# Altium PCB 3-as-manufactured.PcbDoc (part 11 of 16) (continued)
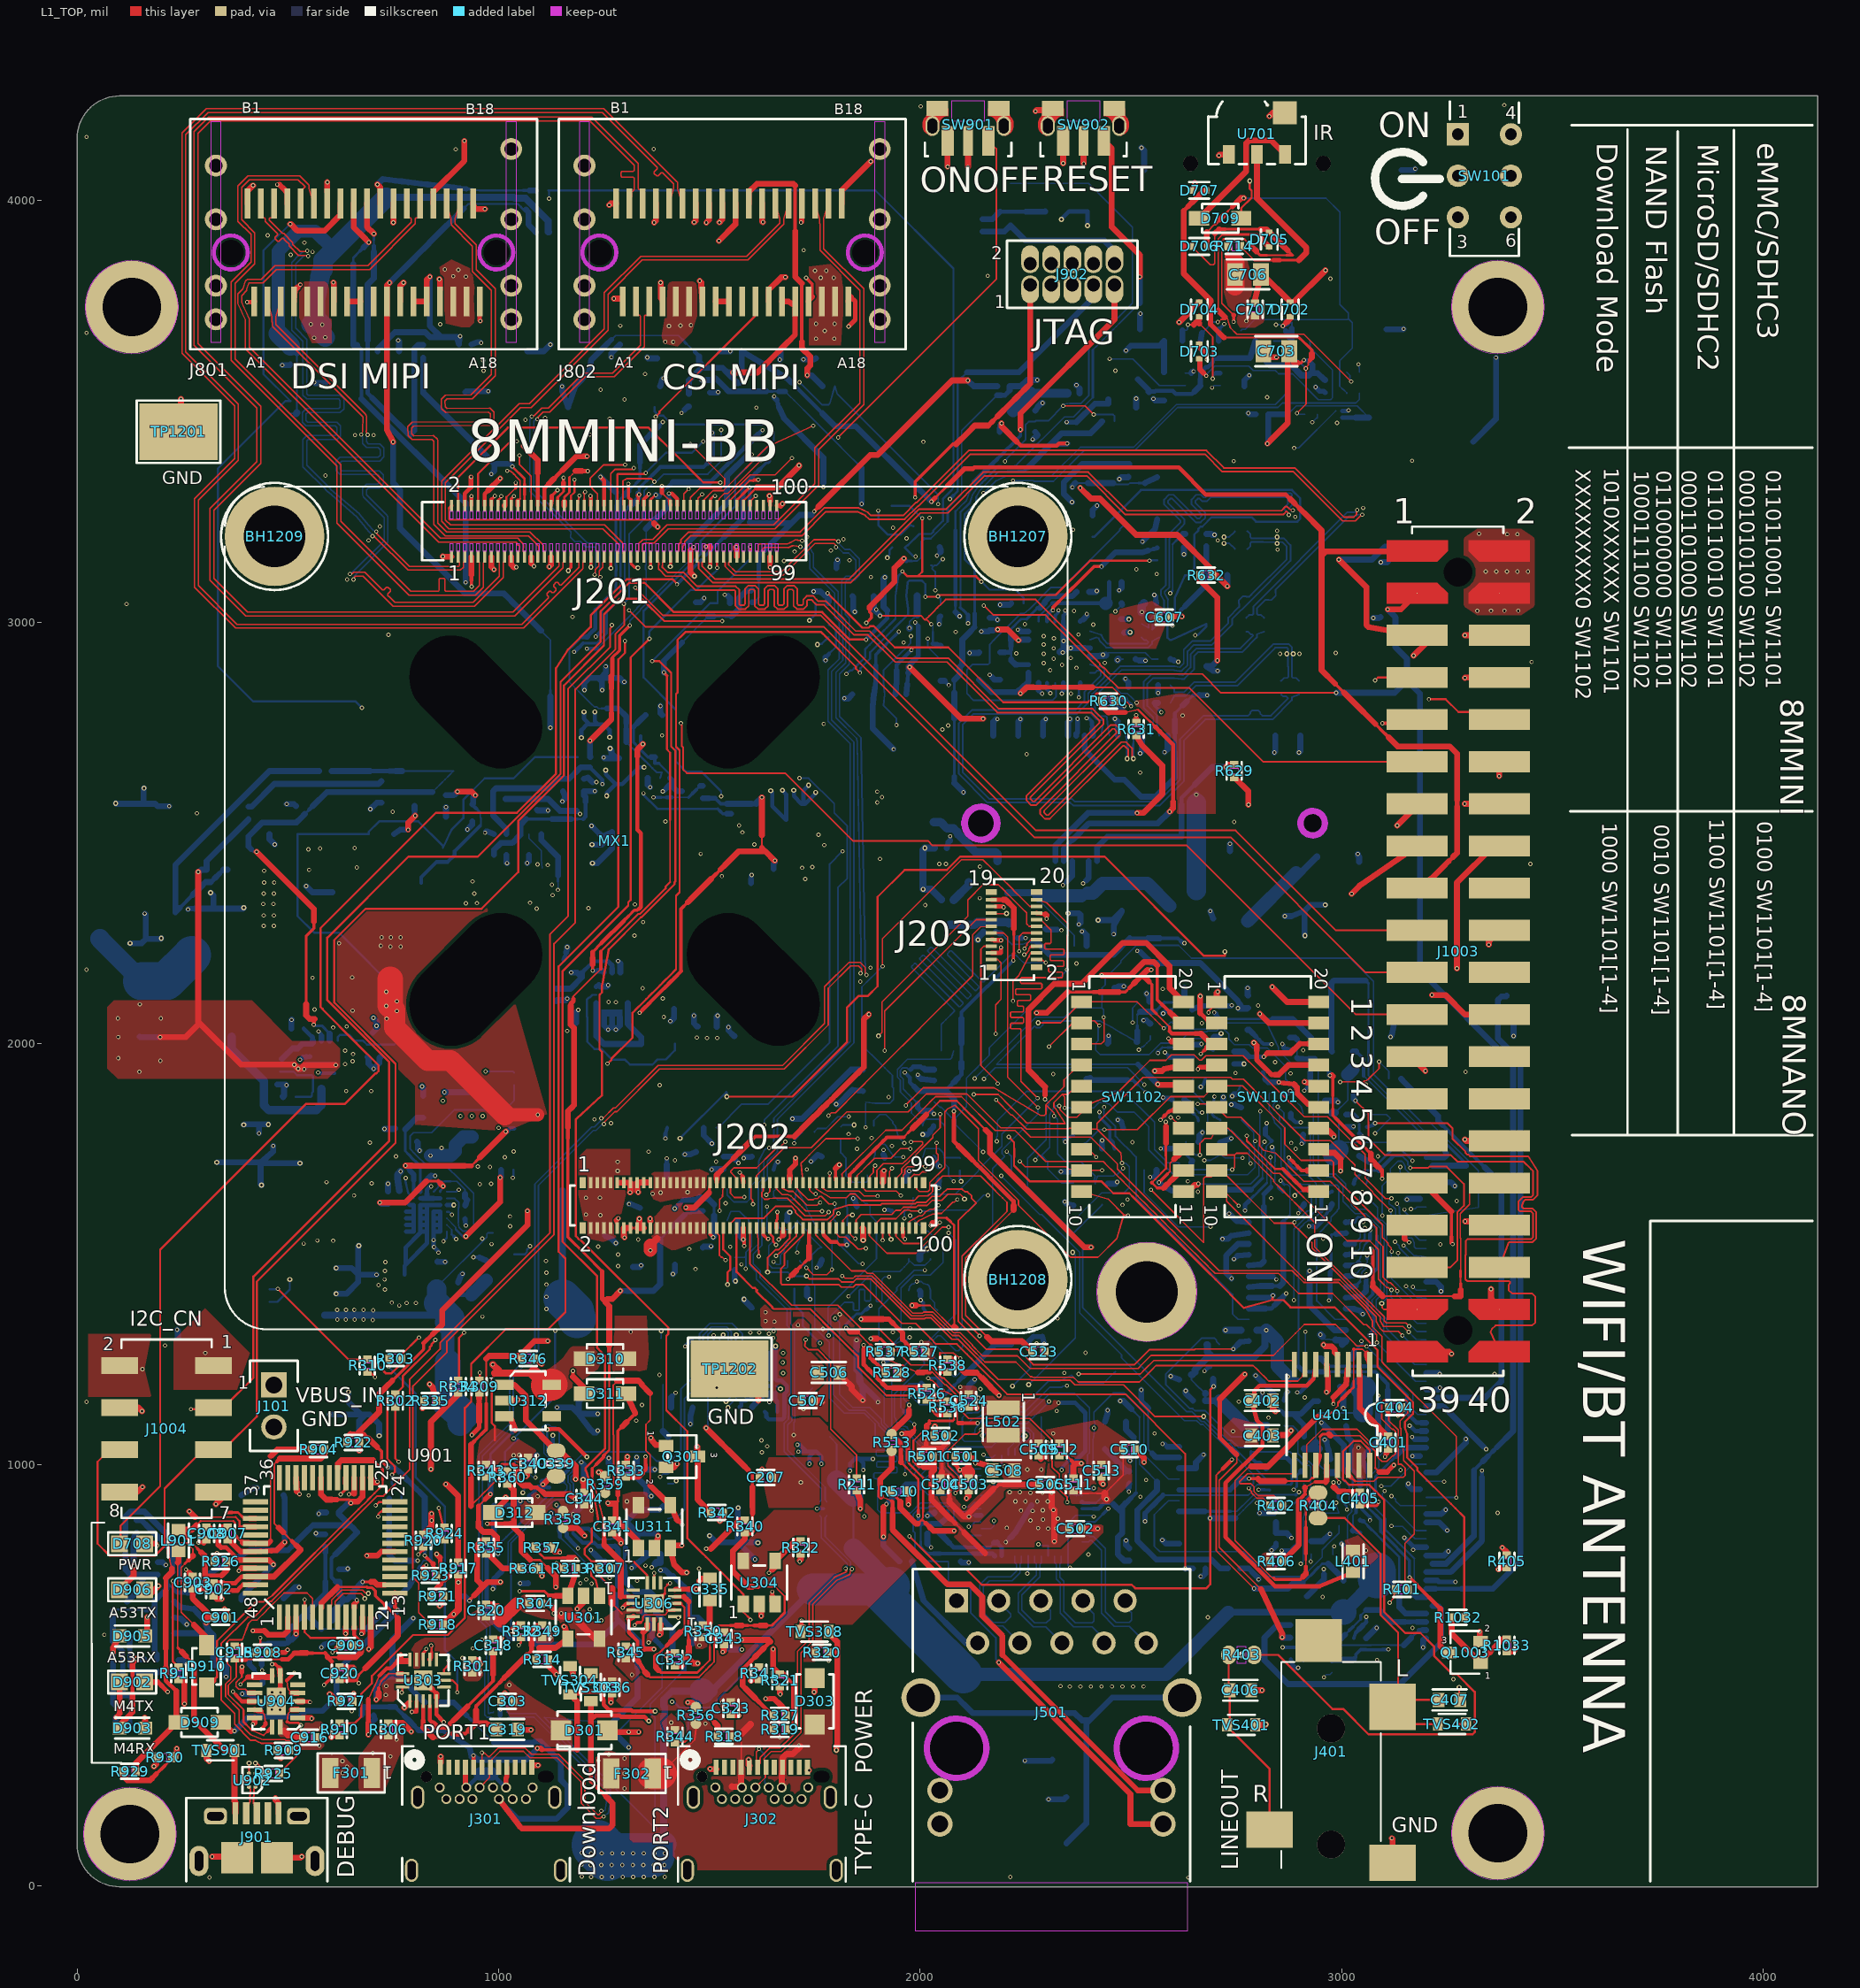
[diagram p0: L1_TOP view]
## Nets (pads, with @x,y where several pads share a name; then routed paths per layer and width w, separated by ;. In a path a pad name is that pad's centre, name@x,y a point inside that pad or via, vN(x,y) a via of type N, cw(c..) or ccw(c..) an arc to the next point about the centre after c; other vN are vias at no path point) (continued)
  L8_BOT w3.5: R1005.1@2942.27,886.97 2944.1,885.14 R1006.1@2993.86,885.13 2988.54,899.49 2987.08,900.95 v1(2987.08,909.99) ; v1(3094.35,949.35) 3116.55,949.35 3168.66,1001.46 J1001.39@3200.73,1001.47
SAI2_MCLK: J202.66 R213.1 | length 1576.7
  L1_TOP w4: J202.66@1721.75,1561.93 1721.75,1544.75 1677.66,1500.66 1677.66,1497.34 1678,1497 1678,1474.24 1669.42,1465.67 1669.42,1430.47 1671.77,1428.13 1710.32,1428.13 1806.44,1428.13 1812.57,1422 1841.37,1422 1847.5,1428.13 1864.48,1428.13 1874.74,1417.87 1926.04,1366.57 1936.29,1356.32 1946.55,1346.06 1956.81,1335.8 1988.63,1335.8 2023.58,1300.85 2037.44,1287 2086.88,1287 2111.15,1262.73 2121.71,1252.17 2132.26,1241.62 2206.16,1167.72 2284.33,1167.72 2425.02,1167.72 2487.54,1167.72 ; 2487.55,1167.71 2628.93,1026.34 v1(2628.94,753.66)
  L8_BOT w14.05: v1(2628.94,753.66) 2629.45,754.17 R213.1@2647.33,754.16
SAI2_MCLK_3V3: R1006.2 U202.17 | length 685.5
  L8_BOT w3.5: U202.17@2614.23,915.19 2589.09,915.18 2577.94,904.03 2555.64,881.72 2555.64,806.99 2568.69,793.94 2643.88,793.94 2767.13,793.94 2826.12,734.96 2907.82,734.96 2954.02,781.16 2954.02,798.65 2974.56,819.19 2984.21,828.84 2993.7,838.33 2993.85,838.49 ; 2993.86,838.5 R1006.2@2993.86,855.61
SAI3_MCLK: J202.41 R401.1 R1005.2 | length 2523.3
  L1_TOP w3.5: v1(1524.12,1603) 1523.86,1603.27 1523.86,1629.63 1530.97,1636.74 1531.57,1647.71 1532.17,1658.68 J202.41@1532.76,1669.64 ; v1(3114,673) 3121.77,682.23 R401.1@3128.4,704.36
  L3_INT w4.2: v1(1524.12,1603) 1523.86,1602.73 1523.86,1481.13 1549.69,1455.3 1569.49,1455.3 1714.97,1309.82 1714.97,1282.03 1952.9,1044.1 1952.9,973.4 2028.1,898.2 2028.1,839.5 2139.6,728 2592.83,728 v1(2682.47,638.36)
  L6_INT w4.2: v1(2682.47,638.36) 2808.89,638.36 2905.06,734.52 ; v1(2903.05,765.44) 2905.06,763.43 2905.06,734.52 ; v1(3114,673) 3114,671.94 3102.21,660.15 3092.45,650.39 3082.69,640.63 3072.93,630.87 3063.17,621.11 3043.65,621.11 2930.24,734.52 2905.06,734.52
  L8_BOT w3.5: v1(2903.05,765.44) 2908.63,771.02 2908.63,800.23 2908.63,873.26 R1005.2@2912.75,886.97
SAI3_RXC: J202.53 J1001.41 | length 2143.8
  L1_TOP w3.5: J202.53@1627.25,1669.64 1627.25,1649.84 1624.25,1646.84 1624.25,1636.55 1630.55,1630.25 1639.45,1630.25 1640.4,1631.2 1641.25,1632.05 1642.44,1632.2 1649.76,1633.13 1684.7,1633.13 1706.36,1611.47 1707.13,1611.47 1711.93,1606.67 1711.93,1605.9 1726.58,1591.25 1774.25,1591.25 v1(1783,1600)
  L3_INT w4.2: v1(1783,1600) 1783,1580.56 1781.18,1578.74 1781.18,1546.47 1840.21,1487.44 1857.59,1487.44 1862.54,1492.39 1884.33,1492.39 1893.21,1483.51 1902.1,1474.62 2017.39,1474.62 2135.25,1356.76 2178.11,1313.9 2437.56,1313.9 2512.64,1238.82 2555.54,1195.92 2566.26,1185.19 2576.99,1174.47 2598.44,1153.02 2611.97,1139.49 2863.41,1196 2911.59,1206.83 3109.6,1206.83 3140.07,1206.83 3150.35,1196.54 3160.63,1186.26 3170.92,1175.98 3201.77,1145.12 3212.05,1134.84 3222.34,1124.56 3242.9,1103.99 v1(3242.95,959.95) v1(3242.95,959.95)
  L8_BOT w3.5: J1001.41@3200.73,962.1 3201.79,961.03 3241.88,961.03 v1(3242.95,959.95)
SAI3_RXD: J202.55 J1001.44 | length 2007.5
  L1_TOP w3.5: v1(1635,1641) 1635.33,1641 1643.01,1648.68 J202.55@1643.01,1669.65
  L3_INT w4.2: v1(1635,1641) 1643.66,1632.34 1677.49,1632.34 1697.21,1612.62 1707.08,1602.75 1736.67,1573.17 1736.67,1553.77 1790.42,1500.02 1801.17,1489.26 1833.43,1457.01 1844.18,1446.26 1930.19,1360.25 2013.67,1360.25 2123.1,1250.81 2177.81,1196.1 2178.9,1195.01 2178.9,1188.99 2185.99,1181.9 2192.01,1181.9 2243.47,1130.44 2265.36,1108.55 2451.83,1108.55 2576.18,984.21 2786.07,984.21 2944.98,825.29 2952.61,825.29 2953.02,824.88 2976.6,824.88 2985.33,833.61 2985.33,835.15 3044.5,894.32 3086.56,894.32 3109.92,917.68 3109.92,921.02 3111.45,921.02 3116.43,926 v1(3118,926)
  L8_BOT w3.5: v1(3118,926) 3119.76,926 3125.56,920.2 3126.24,920.2 3128.29,918.15 3128.29,914.04 3139.3,903.03 J1001.44@3200.73,903.04
SAI3_RXFS: J202.51 J1001.43 | length 2358.6
  L1_TOP w3.5: J202.51@1611.5,1678.22 1611.5,1686.8 1677.28,1752.58 1741.08,1752.58 1825.9,1837.4 1971.4,1837.4 2014.36,1880.36 2110.57,1880.36 2191.06,1799.87 2240.04,1799.87 2261.98,1777.93 2404.45,1777.93 2467.97,1714.41 2467.97,1702.03 2709.14,1460.86 2882.37,1460.86 2910.43,1432.81 2992.89,1432.81 3056.54,1369.16 3062.04,1360.19 3067.55,1351.21 3073.06,1342.24 3073.06,1327.83 3095.91,1304.98 3095.91,1244.2 3099,1241.11 3099,1240.58 3272,1067.58 v1(3272,922)
  L8_BOT w3.5: J1001.43@3200.73,922.73 3271.28,922.72 v1(3272,922)
SAI3_TXC: J202.45 R402.1 | length 1851.3
  L1_TOP w3.5: J202.45@1564.27,1669.65 1563.1,1681.53 1556.57,1688.06 1550.03,1694.6 1550.03,1697.24 1557.54,1704.75 1611.5,1704.75 1652.21,1745.46 1662.5,1755.75 1668.76,1755.75 v1(1680.01,1767) ; v1(2779.77,944.45) 2779.77,942.89 2785.75,936.92 2785.75,933.86 2799.12,920.49 2813.9,920.49 2829.8,904.58 R402.1@2829.81,903.58
  L3_INT w4.2: v1(1680.01,1767) 1680.01,1766.01 1707.22,1738.8 1882.75,1738.8 1898.38,1754.43 1907.37,1763.42 1913.12,1769.17 1938.96,1769.17 1972.34,1735.78 2086.17,1735.78 2097.23,1724.71 2108.3,1713.64 2119.37,1702.58 2134.43,1687.52 2184.9,1687.52 2185.31,1687.11 2190.89,1687.11 v1(2192,1686)
  L8_BOT w3.5: v1(2192,1686) 2192,1685.83 2283.42,1594.41 2288.37,1594.41 2378.55,1504.23 2378.55,1360.57 2477.78,1261.33 2477.78,1254.23 2626.94,1105.07 2655.98,1105.07 2664.97,1096.08 2671.12,1096.08 2730.81,1036.39 2730.91,1036.39 2790.68,976.62 2790.68,954.99 2780.14,944.45 v1(2779.77,944.45)
SAI3_TXD: J202.49 U401.7 | length 1611
  L1_TOP w3.5: J202.49@1595.77,1669.65 1598.59,1663.11 1598.59,1632 1602.04,1628.55 1602.04,1619.96 v1(1603,1619) ; v1(1815,1448) 1816.76,1448 1822.16,1442.6 1840.47,1442.6 1846.14,1448.26 1885.14,1448.26 1979.75,1353.65 2008.1,1353.65 2010.45,1356.01 2027.09,1356.01 2076.09,1307 2091.92,1307 2117.38,1281.53 2117.38,1280.02 2153.37,1244.03 2226.73,1244.03 2261.46,1209.31 2265.32,1209.31 2267.18,1207.45 2344.39,1207.45 2353.77,1207.94 2363.15,1208.43 2373.83,1197.74 2374.84,1196.74 2520.61,1196.74 2539.99,1216.12 2549.68,1225.8 2559.36,1235.49 2790.44,1235.49 2799.42,1226.51 2808.39,1217.53 2817.37,1208.56 2827.22,1198.71 2895.54,1198.71 2907.28,1210.45 U401.7@2913.26,1238.52
  L3_INT w4.2: v1(1603,1619) 1699.09,1522.91 1750.35,1522.91 1761.31,1511.95 1814.81,1458.46 1814.81,1448.19 v1(1815,1448)
SAI3_TXFS: J202.43 U401.8 | length 1602.4
  L1_TOP w3.5: J202.43@1548.52,1669.65 1549.58,1668.46 1549.58,1644.38 1559.25,1634.71 1581.78,1634.71 v1(1582.55,1635.49) ; v1@2375.98,1215.77 2522.42,1215.77 2533.05,1226.4 2554.32,1247.67 2617.11,1247.67 2789.79,1247.67 2883.98,1247.67 U401.8@2887.66,1238.52
  L3_INT w4.2: v1(1582.55,1635.49) 1608.64,1661.58 1674.15,1661.58 1717.42,1618.31 1728.23,1607.5 1739.05,1596.68 1749.87,1585.86 1749.87,1552.74 1760.64,1541.97 1771.41,1531.2 1782.18,1520.43 1792.95,1509.65 1803.72,1498.88 1814.49,1488.11 1825.26,1477.34 1836.03,1466.57 1846.8,1455.8 1857.57,1445.03 1868.34,1434.26 1879.12,1423.49 1889.89,1412.72 1900.17,1402.43 2018.37,1402.43 2039.79,1381.01 2050.26,1370.53 2060.74,1360.06 2071.21,1349.59 2081.68,1339.12 2092.15,1328.65 2149.02,1271.78 2315.7,1271.78 2371.7,1215.77 2373.84,1215.77 v1(2375.98,1215.77)
SAI5_MCLK: J202.77 J1001.29 | length 1773.7
  L1_TOP w3.5: J202.77@1816.24,1669.65 1814.57,1679.51 1814.57,1687.37 1814.42,1687.52 1814.42,1690.42 1918.22,1794.22 1956.48,1794.22 1966.43,1804.18 1976.39,1814.13 1986.35,1824.09 1996.3,1834.04 2006.26,1844 2016.21,1853.95 2026.17,1863.91 2036.12,1873.86 2097.65,1873.86 2178.14,1793.37 2224.66,1793.37 2298.08,1719.95 2343.43,1719.95 2434.14,1719.95 2445.2,1708.88 2456.27,1697.81 2467.34,1686.75 2478.4,1675.68 2489.47,1664.62 2500.53,1653.55 2511.6,1642.48 2522.67,1631.42 2533.73,1620.35 2544.8,1609.29 2555.86,1598.22 2566.93,1587.15 2578,1576.09 2589.06,1565.02 2600.13,1553.96 2611.19,1542.89 2622.26,1531.82 2633.33,1520.76 2644.39,1509.69 2655.46,1498.63 2666.52,1487.56 2677.59,1476.49 2688.66,1465.43 2699.72,1454.36 2744.91,1454.36 2850.35,1454.36 2897.94,1406.77 2978.69,1406.77 3052.81,1332.64 3059.06,1332.64 3075.38,1316.32 3083.39,1308.31 v1(3083.39,1290.17)
  L8_BOT w3.5: v1(3083.39,1290.17) 3175.25,1198.31 J1001.29@3200.73,1198.32
SAI5_RXC: J202.65 R1009.2 R1016.2 | length 1692.1
  L1_TOP w3.5: J202.65@1721.75,1669.65 1720.23,1685.03 1718.72,1700.42 1717.2,1715.81 1726.97,1725.58 1736.74,1735.35 1775.64,1774.25 1834.45,1774.25 1834.64,1774.44 v1(1851.56,1774.44) ; v1(2996.74,1908.77) 3051.34,1908.77 3053.5,1910.93 ; v1(3057.72,1902.56) 3053.5,1906.79 3053.5,1910.92 ; v1(3089,1957) 3089,1940.7 3064.52,1916.22 3064,1915.79 3059.2,1912.56 3053.5,1910.92
  L3_INT w4.2: v1(1851.56,1774.44) 1860.68,1783.57 1864.11,1786.99 1968.99,1786.99 1978.1,1796.1 2026.9,1796.1 2039.43,1783.57 2079.2,1783.57 2111.77,1751 2122.63,1740.14 2133.49,1729.29 2144.07,1718.7 2206.7,1718.7 2290.8,1802.8 2303.71,1802.8 2307.61,1806.7 2534.86,1806.7 2567.63,1839.47 2653.72,1839.47 2659.84,1842.73 2660.84,1843.47 2664.55,1847.18 2667.16,1847.18 2668.2,1847.18 2669.13,1847.67 2675.62,1851.13 2701.78,1824.97 2796.41,1824.97 2804.56,1826.85 2812.71,1828.72 2818.51,1832.65 2829.07,1831.12 2839.76,1829.56 2850.45,1828 2874.18,1828 2900.11,1853.94 2941.9,1853.94 v1(2996.74,1908.77)
  L8_BOT w3.5: v1(3057.72,1902.56) 3057.72,1883.74 R1016.2@3058.39,1883.07 ; v1(3089,1957) 3111.81,1934.19 R1009.2@3111.81,1916.27
SAI5_RXD0: J202.67 R1010.2 R1015.2 | length 2167
  L1_TOP w3.5: J202.67@1737.5,1669.65 1737.5,1651.59 1744.85,1644.24 1750.76,1644.24 v1(1752,1643)
  L3_INT w4.2: v1(1752,1643) 1753.57,1643 1760.01,1636.56 1764.51,1636.56 1794.1,1606.97 1794.1,1570.74 1837.76,1527.08 1838.97,1525.86 1839.32,1523.69 1846.35,1507.44 1852.64,1501.15 1890.58,1501.15 ; 1890.62,1501.16 1903.95,1487.82 2101.31,1487.82 2112.38,1498.9 2123.46,1509.97 2134.53,1521.05 2145.61,1532.12 2156.69,1543.2 2167.76,1554.27 2178.84,1565.35 2284.31,1565.35 2293.84,1555.82 2303.37,1546.3 2440.96,1546.3 2593.84,1546.3 2636.28,1503.86 2646.89,1493.25 2657.5,1482.64 2668.11,1472.03 2678.72,1461.42 ; 2678.73,1461.41 2845.46,1461.41 2882.73,1424.15 2882.73,1404.23 2885.67,1401.29 2885.67,1391.81 v1(2886.58,1390.9) ; v1@2886.58,1389.04 2890.4,1384.66 2905.66,1326.64 v1(2914,1316)
  L8_BOT w3.5: v1(2886.58,1390.9) 2886.58,1559.32 2896.02,1568.76 2896.11,1568.85 2896.11,1568.91 2919.09,1591.89 2927.1,1591.89 2927.83,1591.89 2939.48,1603.55 2939.48,1668.3 2929.9,1677.88 2920.32,1687.46 2881.94,1687.46 2877.53,1691.87 2877.53,1692.49 2873.32,1696.7 2868.97,1708.86 2864.89,1720.29 2864.63,1721.02 2864.14,1721.51 2864.14,1802.6 2858.6,1808.13 2852.58,1814.15 2852.58,1829.37 2837.31,1844.64 2837.31,1855.12 2845.74,1863.55 2890.58,1863.55 2904.04,1850.09 2906.57,1841.68 R1015.2@2909.09,1833.26 ; R1010.2@2913.08,1258.68 2914,1259.6 v1(2914,1316)
SAI5_RXD1: J202.69 R1011.2 R1018.1 | length 3794.9
  L1_TOP w3.5: J202.69@1753.25,1669.65 1753.25,1655.09 1764.21,1648.17 1775.18,1641.25 1787.02,1633.77 ; 1787.03,1633.76 1824.87,1633.76 1834.05,1642.93 1845.37,1642.93 1861.05,1627.25 1985.61,1627.25 1996.29,1637.93 2018.72,1637.93 2029.46,1648.67 2029.46,1661.56 2053.16,1685.26 2143.55,1685.26 2153.93,1674.89 2164.3,1664.51 2174.67,1654.14 2185.04,1643.77 2195.41,1633.4 2205.78,1623.03 2205.78,1601.57 2163.1,1558.88 2152.48,1548.27 2120.65,1516.44 2110.04,1505.82 2099.43,1495.21 2099.43,1348.29 2141,1306.72 v1(2141,1306)
  L6_INT w4.2: v1(2141,1306) 2152.31,1306 2239.84,1218.47 2265.83,1218.47 2321.31,1163 2427.28,1163 2680.54,909.73 v1(2799.15,909.73) 2798.89,910 2798.89,920.19 2790.87,928.21 2790.87,946.02 2797.98,953.13 2808.15,953.13 2914.2,847.08 3011.27,847.08 3015.43,842.92 3122.57,842.92 3129.22,849.58 3129.22,931.44 3120.34,940.31 3119.09,940.31 3015.1,1044.3 3015.1,1141.49 2816.88,1339.71 2816.88,1437.76 2837.42,1458.3 2868.53,1458.3 2895.56,1431.28 2936,1431.28 2948.5,1443.77 2948.5,1527.36 2940.85,1535.01 2940.85,1538.49 2955.26,1552.9 3037.64,1552.9 3061.06,1529.48 3075.29,1529.48 3113.08,1491.69 3141.9,1491.69 3171.49,1521.28 3171.49,1532.2 3142.51,1561.19 3100.43,1561.19 3049.13,1612.5 v1(3049.13,1647.23)
  L8_BOT w3.5: v1(2799.15,909.73) 2806.61,902.28 2881.29,902.28 2909.65,930.64 2909.65,939.55 2909.5,939.7 2909.5,953.81 R1011.2@2910.92,955.22 ; R1018.1@3043.32,1624.38 3043.32,1639.12 3049.13,1644.93 v1(3049.13,1647.23)
SAI5_RXD2: J202.71 R1012.2 R1014.2 | length 3296.5
  L1_TOP w3.5: J202.71@1768.98,1669.65 1768.98,1655.94 1777.68,1650.96 1779.37,1650 1854.76,1650 1860.39,1644.38 1866.76,1638 v1(1899,1638)
  L3_INT w4.2: v1(1899,1638) 1907.59,1629.41 1909.36,1629.41 1915.11,1623.66 1995.74,1623.66 2005.2,1614.19 2014.67,1604.72 2024.13,1595.26 2085.5,1595.26 2192.9,1595.26 2300.29,1595.26 2315.78,1579.77 2422.53,1579.77 2498.78,1579.77 2605.53,1579.77 2616.27,1569.03 2669.95,1515.35 2700.3,1515.35 2882.4,1515.35 2943.1,1515.35 2987.09,1471.35 2998.09,1460.35 3020.09,1438.36 3199.09,1438.36 3202.07,1435.38 ; v1(2982.29,806.8) 3034.19,754.9 3044.57,754.9 3044.94,755.27 3055.32,755.27 3076.83,776.78 3087.58,787.53 3205.84,905.79 3216.59,916.54 3259.59,959.55 3270.34,970.3 3281.09,981.05 3281.09,1064.12 3281.09,1076.77 3072.3,1285.56 3072.3,1286.75 3017.46,1341.6 3108.31,1341.61 3118.73,1352.02 3129.15,1362.44 3139.57,1372.86 3149.98,1383.28 3160.4,1393.7 3170.82,1404.12 3181.24,1414.54 3191.66,1424.96 3202.08,1435.37 ; v1(3273.28,1626.29) 3202.08,1555.09 3202.08,1435.37
  L6_INT w4.2: v1(3079.67,1786.75) 3166.91,1786.75 3285.06,1668.6 3285.06,1638.07 v1(3273.28,1626.29)
  L8_BOT w3.5: R1012.2@2979.1,787.36 2979.11,803.62 v1(2982.29,806.8) ; R1014.2@3060.22,1831.42 3106.44,1831.42 3115.38,1822.47 3106.45,1813.54 3097.53,1804.61 v1(3079.67,1786.75)
SAI5_RXD3: J202.73 R1013.2 R1017.1 | length 3003.3
  L1_TOP w3.5: J202.73@1784.74,1669.65 1784.74,1691.7 v1(1785.61,1692.56)
  L3_INT w4.2: v1(1785.61,1692.56) 1826.56,1651.61 1888.78,1651.61 1982.12,1651.61 2029.73,1604 2703.28,1604 2713.7,1593.58 2723.98,1583.3 2744.55,1562.73 2751.32,1562.73 2761.61,1552.44 2829.74,1552.44 2940.56,1552.44 v1(2956,1537)
  L6_INT w4.2: v1(2926.83,770.66) 3052.23,770.66 3117.29,835.72 3125.55,835.72 3136.23,846.4 3136.23,847.1 3136.42,847.3 3136.42,934.42 3123.33,947.51 3122.07,947.51 3051.31,1018.28 3051.31,1115.46 2824.08,1342.69 2824.08,1434.78 2840.4,1451.1 2853.58,1451.1 2884.68,1420 2965,1420 3015.38,1470.38 ; v1(2956,1537) 2983.02,1509.98 2983.02,1502.74 3015.38,1470.38 ; v1(3067.34,1686.55) 3067.34,1604.47 3103.42,1568.39 3145.49,1568.39 3178.69,1535.19 3178.69,1518.3 3137.46,1477.06 3022.07,1477.06 3015.38,1470.38
  L8_BOT w3.5: v1(2926.83,770.66) 2926.83,777.52 2927.52,778.2 R1013.2@2927.51,789.21 ; R1017.1@3058.39,1667.25 3062.83,1682.03 v1(3067.34,1686.55)
SAI5_RXFS: J202.70 J1001.33 | length 1755.1
  L1_TOP w3.5: J202.70@1753.25,1561.93 1752.44,1553.72 1751.63,1545.5 1762.27,1534.86 1772.92,1524.21 1794.2,1502.92 1804.85,1492.28 1815.49,1481.64 1836.78,1460.35 1868.88,1460.35 1874.47,1454.76 1887.83,1454.76 1982.44,1360.15 2005.41,1360.15 2007.76,1362.51 2029.78,1362.51 2078.79,1313.5 2094.61,1313.5 2123.88,1284.23 2123.88,1282.71 2127.36,1279.24 2137.59,1269 2147.82,1258.77 2230.66,1258.77 2260.49,1228.95 2516.92,1228.95 ; 2516.95,1228.97 2527.24,1239.26 2537.53,1249.56 2547.83,1259.85 2761.73,1259.85 2838.12,1259.85 2848.59,1270.31 2859.05,1280.77 2890.43,1312.16 2900.9,1322.62 2911.36,1333.08 2985.51,1333.08 3015.9,1302.68 3026.04,1292.55 3036.17,1282.42 3058.11,1282.42 v1(3059.5,1281.03)
  L8_BOT w3.5: v1(3059.5,1281.03) 3066.95,1273.58 3084.95,1255.58 3095.5,1245.03 3106.05,1234.48 3116.59,1223.93 3127.14,1213.39 3137.69,1202.84 3148.24,1192.29 3158.79,1181.74 3169.33,1171.2 3169.33,1130.35 3180.12,1119.57 J1001.33@3200.73,1119.58
SD2_CLK: J201.76 R704.1 | length 1723.9
  L1_TOP w3.5: J201.76@1470.49,3276.42 1472.73,3278.66 1472.73,3293.58 v1(1482.58,3303.43)
  L6_INT w4.2: v1(1482.58,3303.43) 1482.58,3313.97 1525.01,3356.4 2199.6,3356.4 2220.06,3335.94 v1(2220.06,3335.89)
  L8_BOT w3.5: v1(2220.06,3335.89) 2268.16,3335.89 2269.67,3334.38 2315.96,3334.38 2390.24,3408.66 2509.7,3408.66 2610.75,3509.7 2849.23,3509.7 2859.65,3520.12 3033.94,3520.12 3041.79,3527.97 R704.1@3041.8,3543.22
SD2_CLK_CON: D706.C J701.5 R704.2 | length 1125.7
  L1_TOP w3.5: 2730.67,3976.06 2740.84,3986.23
  L1_TOP w3.83: 2679.82,3925.21 2700.16,3945.55
  L1_TOP w4.85: 2720.5,3965.89 2730.67,3976.06
  L1_TOP w7.92: 2700.16,3945.55 2710.33,3955.72
  L1_TOP w12.01: 2740.84,3986.23 2751.01,3996.4
  L1_TOP w14.05: D706.C@2679.81,3891.86 2679.82,3925.21 ; 2710.33,3955.72 2720.5,3965.89 ; 2751.01,3996.4 2761.18,4006.57 v1(2767.84,4006.57)
  L8_BOT w3.5: J701.5@2760.67,3691.74 2764.06,3695.13 2771.1,3695.13 2793.89,3717.92 3014.08,3717.92 3016.01,3719.86 ; v1(2767.84,4006.57) 2768.09,4006.32 2962.78,4006.32 2995.93,3973.17 2995.93,3753.6 3016.02,3733.52 3016.02,3719.86 ; R704.2@3012.28,3543.22 3012.28,3544.22 3004.32,3552.19 3003.33,3552.19 2995.53,3559.99 2995.53,3620.64 3025.05,3650.16 3025.05,3710.82 3016.02,3719.86
SD2_CMD: J201.78 R702.1 | length 1593.5
  L1_TOP w3.5: J201.78@1486.23,3276.42 1486.24,3289.86 1508.52,3312.14 1532.81,3312.14 1636.17,3415.49 v1(1745.99,3465.99)
  L6_INT w4.2: v1(1745.99,3465.99) 2176.41,3465.99 2229.87,3412.53 2868.41,3412.53 v1(2930.24,3474.35)
  L8_BOT w3.5: v1(2930.24,3474.35) 2940.36,3484.48 2942.26,3484.48 R702.1@2942.27,3493.42
SD2_CMD_CON: D707.C J701.3 R702.2 | length 938.5
  L1_TOP w3.5: 2720.72,3675.39 2750.5,3675.39 2839.84,3675.39 2899.4,3675.39 ; v1(2894.27,3496.13) 2915.72,3517.58 2915.72,3585.25 v1(2914.92,3602.29)
  L1_TOP w3.83: v1@2914.92,3602.64 2914.92,3603.96 2920.83,3609.87 2920.83,3617.05 2921.09,3617.38 2925.14,3617.38
  L1_TOP w6.9: 2899.4,3675.39 2908.73,3666.06 2918.06,3656.73 2927.39,3647.41 2929.4,3645.39
  L1_TOP w7.92: 2929.4,3636.89 2929.4,3645.39
  L1_TOP w9.96: 2625.03,3976.21 2634.73,3985.9
  L1_TOP w10.99: v1(2914.92,3602.29) 2914.92,3602.64 v1@2915.56,3603.28 ; 2925.14,3622.75 2928.9,3627.73
  L1_TOP w12.01: 2634.73,3985.9 2644.42,3995.59 ; 2654.11,4005.28 2663.8,4014.97 ; 2688.91,3749.45 2688.91,3707.2 2710.12,3685.99
  L1_TOP w13.03: 2710.12,3685.99 2720.72,3675.39
  L1_TOP w14.05: 2625.03,3976.21 2625.03,3827.42 2688.91,3763.54 2688.91,3749.45 ; 2644.42,3995.59 2654.11,4005.28 ; 2663.8,4014.97 2673.49,4024.67 D707.C@2679.81,4024.67 ; 2928.9,3627.73 2929.4,3628.39 2929.4,3636.89
  L8_BOT w3.5: v1(2894.27,3496.13) 2895.99,3496.13 2898.7,3493.43 R702.2@2912.75,3493.42
  L8_BOT w4: J701.3@2838.43,3667.38 2856.3,3667.38 2859.99,3663.69 2859.99,3634.32 2864.43,3629.88 2864.78,3629.88 2872.66,3622 2895.2,3622 2899.68,3617.52 2899.68,3617.23 2906.13,3610.79 2906.42,3610.79 v1(2914.92,3602.29)
SD2_DATA0: J201.84 R705.1 | length 1671.3
  L1_TOP w3.5: J201.84@1533.48,3276.42 1533.48,3287.04 1534.09,3287.04 1596.4,3349.35 1655.68,3349.35 v1(1695.72,3389.39)
  L3_INT w4.2: v1(1695.72,3389.39) 2191.32,3389.39 2257.59,3455.66 2883.83,3455.66 ; 2883.84,3455.67 v1(3040.07,3611.89)
  L8_BOT w3.5: v1(3040.07,3611.89) 3041.29,3610.68 3041.29,3604.86 3041.79,3604.36 R705.1@3041.8,3593.03
SD2_DATA0_CON: D705.C J701.7 R705.2 | length 816.2
  L1_TOP w3.5: v1(2706.27,3712.27) 2707.99,3712.27 2714.15,3718.43 2719.98,3718.43 2722.91,3721.36 2728.34,3721.36 2729.52,3720.18 2732.76,3709.48 2736,3698.78 2751.19,3683.59 2910.45,3683.59 v1(3022.82,3571.22) ; 2707.23,3739.6 2707.23,3816.9 2707.23,3909.67 2717.93,3920.37
  L1_TOP w5.87: 2717.93,3920.37 2784.94,3920.37
  L1_TOP w6.9: 2784.94,3920.37 2798.34,3920.37 2808.22,3910.49
  L1_TOP w8.94: 2722.91,3721.36 2722.91,3723.92
  L1_TOP w14.05: 2707.23,3739.6 2722.91,3723.92 ; 2808.22,3910.49 D705.C@2827.98,3890.74
  L8_BOT w3.5: J701.7@2668.28,3686.83 2669.15,3686.83 2694.59,3712.27 v1(2706.27,3712.27) ; R705.2@3012.28,3593.03 3019.53,3585.78 3019.53,3576.22 3022.82,3572.93 v1(3022.82,3571.22)
  L8_BOT w14.05: J701.7@2665.2,3667.38 J701.7@2668.28,3686.83
SD2_DATA1: J201.82 R707.1 | length 1323.9
  L1_TOP w3.5: J201.82@1517.72,3276.42 1517.72,3288.35 1519.65,3288.35 1522.63,3291.33 1522.63,3293.26 1535.01,3305.64 1543.49,3305.64 1622.16,3384.3 v1(1622.26,3384.3)
  L3_INT w4.2: v1(1622.26,3384.3) 1622.26,3385.87 1627.96,3391.57 1627.96,3395.88 1722.05,3489.97 2389.57,3489.97 2456.22,3556.61 v1(2692.52,3556.61)
  L8_BOT w3.5: v1(2692.52,3556.61) 2697.58,3561.67 R707.1@2711.86,3561.67
SD2_DATA1_CON: D704.C J701.8 R707.2 | length 265.4
  L1_TOP w3.5: v1(2635.13,3705.94) 2649.25,3705.94 ; 2661.78,3709.15 2694.13,3676.8 v1(2694.13,3578)
  L1_TOP w14.05: 2649.25,3705.94 2652.87,3709.56 2657.73,3713.93 ; 2661.78,3709.15 2657.73,3713.93 ; D704.C@2662.09,3724.72 2662.09,3718.29 2657.73,3713.93
  L8_BOT w3.5: J701.8@2621.89,3692.7 2631.71,3692.7 2634.14,3695.13 2634.14,3704.95 v1(2635.13,3705.94) ; v1(2694.13,3578) 2695.34,3579.22 2695.34,3584.65 R707.2@2701.89,3591.2
  L8_BOT w10.99: R707.2@2701.89,3591.2 R707.2@2711.86,3591.19
  L8_BOT w14.05: J701.8@2621.89,3667.38 J701.8@2621.89,3692.7
SD2_DATA2: J201.72 R708.1 | length 1623.7
  L1_TOP w3.5: J201.72@1438.98,3276.42 1438.98,3304.33 v1(1450.35,3315.7)
  L6_INT w4.2: v1(1450.35,3315.7) 1473.72,3292.33 1487.18,3292.33 1507.08,3312.23 1507.08,3328.29 1528,3349.2 1816.64,3349.2 1858.26,3307.59 2149.31,3307.59 v1(2150.39,3306.5)
  L8_BOT w3.5: v1(2150.39,3306.5) 2179.94,3336.05 2182.15,3336.05 2192.19,3340.89 2201.7,3345.46 2202.65,3346.14 2203.26,3346.75 2311.67,3346.75 2380.08,3415.16 2507.01,3415.16 2608.06,3516.2 2842.72,3516.2 2863.75,3537.23 2863.75,3538.23 2871,3545.48 R708.1@2872,3545.48
SD2_DATA2_CON: D703.C J701.1 R708.2 | length 567.2
  L1_TOP w9.96: 2671.49,3592.13 v1(2679.04,3584.58)
  L1_TOP w13.03: D703.C@2662.09,3625.11 2663.94,3625.1 2663.94,3599.69 2671.49,3592.13
  L8_BOT w3.5: v1(2679.04,3584.58) 2680.26,3585.79 2680.26,3589.01 2698.81,3607.56 2779.59,3607.56 2790.06,3597.09 2842.91,3597.09 2850.58,3589.42 2867.08,3589.42 2883.58,3589.42 2944.68,3528.32 2973.9,3528.32 2978.44,3532.86 2978.44,3598.48 2925.04,3651.88 J701.1@2925.04,3667.38
  L8_BOT w4: 2867.08,3589.42 2867.08,3579.92 R708.2@2872,3575
SD2_DATA3: J201.74 R709.1 | length 1531.6
  L1_TOP w3.5: v1(1454.48,3422.41) 1536.15,3340.73 1536.15,3326.46 1528.33,3318.64 1477.71,3318.64 1454.74,3295.67 J201.74@1454.73,3276.42
  L3_INT w4.2: v1@1454.48,3422.41 1459.27,3417.62 1611.73,3417.62 1704.33,3510.22 2082.22,3510.22 2196.83,3624.83 v1(2449.72,3624.83)
  L8_BOT w3.5: v1(2449.72,3624.83) 2504.47,3624.83 2567.63,3561.67 R709.1@2628.92,3561.67
SD2_DATA3_CON: D702.C J701.2 R709.2 | length 417.3
  L1_TOP w10.99: v1(2860.61,3702.9) 2869.19,3711.47
  L1_TOP w14.05: 2869.19,3711.47 2877.76,3720.04 D702.C@2877.74,3724.72
  L3_INT w3.5: v1(2648.67,3595.39) 2735.37,3595.39 2789.06,3649.08 2789.06,3650.94 v1(2844,3705.88)
  L8_BOT w3.5: R709.2@2628.92,3591.19 2643.01,3591.2 ; v1(2844,3705.88) 2854.39,3705.88 2856.69,3703.58 2857.52,3703.58 2858.38,3702.83 2859.12,3701.81 2863.07,3696.44 J701.2@2867.76,3690.06
  L8_BOT w3.83: 2871.19,3707.07 2881.74,3711.26 J701.2@2881.75,3696.63
  L8_BOT w10.99: v1@2647.2,3595.39 v1(2648.67,3595.39) ; v1(2860.61,3702.9) 2871.19,3707.07
  L8_BOT w14.05: 2643.01,3591.2 v1@2647.2,3595.39 ; J701.2@2867.76,3690.06 J701.2@2881.74,3667.38 J701.2@2881.75,3696.63
SD2_DET: J701.9 R217.2 R218.1 TVS701.2 | length 2663.4
  L1_TOP w6.9: v1(1872,2998.25) 1884.35,3010.6 1884.35,3019.61 1879.82,3024.14 1879.82,3033.16
  L1_TOP w13.03: 1938.68,3128.35 1946.25,3135.92
  L1_TOP w14.05: 1879.82,3033.16 1879.82,3036.48 1938.68,3095.35 1938.68,3128.35 ; 1946.25,3135.92 1953.82,3143.49 v1(1961.39,3151.06)
  L3_INT w9.96: v1(1770.93,2758.63) 1782.03,2747.52
  L3_INT w14.05: 1782.03,2747.52 1793.14,2736.42 1804.25,2725.31 1816,2713.56 v1(1816,2456)
  L6_INT w9.96: v1(1770.93,2758.63) 1781.87,2769.58
  L6_INT w14.05: 1781.87,2769.58 1803.53,2791.24 1803.53,2927.9 1813.56,2937.93 1823.36,2947.73 1833.15,2957.52 1872,2996.37 v1(1872,2998.25) ; v1(2277.9,3574.69) 2359.68,3574.69 2429.64,3644.65 v1(2488.5,3644.65)
  L8_BOT w3.5: 1980.02,3145.55 1981.01,3144.2 1983.19,3145.02 1984.43,3145.25 1993.45,3145.25 1998.78,3150.58 1999.32,3151.11 2000.02,3151.38 2001.62,3151.98 ; 2024.76,3198.33 2025.12,3198.33 2056.16,3229.37 2056.16,3229.74 2065.14,3238.72 ; 2065.45,3270.15 2098.21,3302.9 2098.21,3393.79 2098.21,3454.38 2108.73,3464.9 2182.36,3538.53
  L8_BOT w3.83: 2001.62,3151.98 2001.62,3190.62 2007.25,3196.25
  L8_BOT w4: R217.2@1515.65,1800.06 1520.39,1800.08 1576.5,1856.18 1639.07,1856.18 1785.15,2002.26 1785.15,2425.88 1815.26,2456 v1(1816,2456)
  L8_BOT w4.85: 2009.33,3198.33 2024.76,3198.33
  L8_BOT w5.87: 1966.9,3145.55 1980.02,3145.55 ; 2065.14,3238.72 2065.45,3239.03 2065.45,3270.15
  L8_BOT w6.9: 2007.25,3196.25 2009.33,3198.33
  L8_BOT w10.99: v1(1961.39,3151.06) 1966.9,3145.55 ; 2191.7,3538.53 2201.03,3538.53 2206.71,3544.21 R218.1@2212.38,3549.88
  L8_BOT w13.03: 2182.36,3538.53 2191.7,3538.53
  L8_BOT w14.05: R218.1@2212.38,3549.88 2212.38,3559.84 2238.74,3559.84 2253.59,3574.69 v1(2277.9,3574.69) ; v1(2488.5,3644.65) 2499.84,3655.99 2567.79,3655.99 J701.9@2578.59,3667.38 2578.6,3593.27 TVS701.2@2578.93,3592.95
SD2_NCD: J201.88 R216.2 R218.2 | length 1105.8
  L1_TOP w5.87: J201.88@1564.98,3289.72 1572.8,3297.54 1580.61,3305.35
  L1_TOP w7.92: J201.88@1564.98,3276.42 J201.88@1564.98,3289.72 ; 1580.61,3305.35 1588.07,3312.81 v1(1595.53,3320.27)
  L1_TOP w8.94: v1(1748.45,3262.73) 1748.45,3263.02 1758.73,3273.3 1758.73,3274.47
  L1_TOP w14.05: 1758.73,3274.47 1880.92,3396.66 1898.61,3396.66 2075.84,3573.89 v1(2112.84,3573.89)
  L8_BOT w3.83: 1611.07,3052.73 1616.77,3058.43 1616.77,3100.8
  L8_BOT w4.85: R216.2@1605.37,3047.03 1611.07,3052.73
  L8_BOT w7.92: 1742.41,3254.61 1742.41,3256.13 1748.45,3262.17 v1(1748.45,3262.73)
  L8_BOT w8.94: 1595.53,3237.49 v1(1595.53,3320.27)
  L8_BOT w9.96: 1616.77,3100.8 1616.77,3143.16
  L8_BOT w13.03: 1616.77,3143.16 1616.77,3157.28
  L8_BOT w14.05: 1595.53,3237.49 1597.98,3235.04 1694.53,3235.04 ; R216.2@1600.43,3047.02 R216.2@1605.37,3047.03 ; 1616.77,3157.28 1694.53,3235.04 ; 1742.41,3254.61 1714.11,3254.61 1694.54,3235.04 ; v1(2112.84,3573.89) 2126.89,3559.84 R218.2@2182.85,3559.84
SD2_NRST: J201.90 U702.B1 | length 1508.7
  L1_TOP w4.85: J201.90@1580.73,3288.41 1611.9,3319.57
  L1_TOP w6.9: J201.90@1580.72,3276.42 J201.90@1580.73,3288.41
  L1_TOP w14.05: 1611.9,3319.57 1662.04,3319.57 1712.46,3369.99 v1(1712.46,3372.01)
  L3_INT w5: v1(1712.46,3372.01) 1960.02,3372.01 1962.06,3369.96 2208.27,3369.96 2208.78,3370.48 2436.66,3370.48 2437.14,3370 2657.38,3370 2666.73,3379.35 2676.08,3388.7 2685.43,3398.05 2694.79,3407.41 2881.46,3407.41 v1(2887.41,3413.34)
  L8_BOT w3.5: v1(2887.41,3413.34) 2898.03,3413.34 U702.B1@2985.99,3501.29
SPDIF_EXT_CLK: J202.63 R1003.2 | length 2007.5
  L1_TOP w3.5: J202.63@1706.56,1668.36 1706.56,1656.43 1716.35,1646.64 1733.66,1629.33 1746.54,1629.33 1750.42,1631.73 1751.26,1632.25 1756.45,1632.25 1761.33,1637.13 1765.39,1637.13 1783.09,1619.43 1796.43,1619.43 v1(1797,1620)
  L6_INT w4.2: v1(1863.2,1477.09) 1914.98,1425.31 1951.44,1425.31 2016.43,1360.32 2038.68,1360.32 2157.01,1241.99 2189.01,1241.99 2225.4,1205.6 2259.62,1205.6 2289.94,1175.28 2289.94,1144.06 2318.77,1115.23 2452.2,1115.23 2612.57,954.87 2612.57,680.91 2797.67,495.81 2957.81,495.81 v1(2958,496)
  L8_BOT w3.5: v1(1797,1620) 1797.79,1619.21 1797.79,1610.45 1798.6,1609.64 1798.6,1604.81 1793.75,1599.95 1793.75,1583.51 1804.58,1572.68 1804.58,1526.77 1853.65,1477.69 1862.6,1477.69 v1(1863.2,1477.09) ; v1(2958,496) 2964.08,502.08 2972.37,502.08 R1003.2@2977.28,506.99
SPDIF_RX: J202.59 J1001.48 | length 1927.8
  L1_TOP w3.5: J202.59@1674.51,1669.65 1673.49,1660.91 1672.89,1655.77 1687.2,1649.31 1697.9,1649.31 1709.04,1638.18 1720.17,1627.05 1731.3,1615.91 1755.65,1615.91 1762.26,1622.53 v1(1762.54,1622.53)
  L6_INT w4.2: v1(1762.54,1622.53) 1755.11,1615.1 1755.11,1573.94 1828.17,1500.88 1937.11,1500.88 1989.09,1448.9 2001.42,1444.66 2013.74,1440.43 2048.1,1406.07 2062.6,1406.07 2232.1,1236.57 2257.92,1236.57 2321.49,1173 2427.46,1173 2460.73,1139.73 2506.27,1139.73 2645.59,1000.41 2771.04,1000.41 2917.18,854.28 3117.52,854.28 v1(3118.12,854.88)
  L8_BOT w3.5: v1(3118.12,854.88) 3119.05,853.95 3144.46,853.95 3154.35,844.06 3164.23,834.18 3174.11,824.3 3177,824.3 ; 3177.01,824.29 J1001.48@3200.73,824.3